# Altium PCB Printing.PcbDoc (part 1 of 5) (continued)
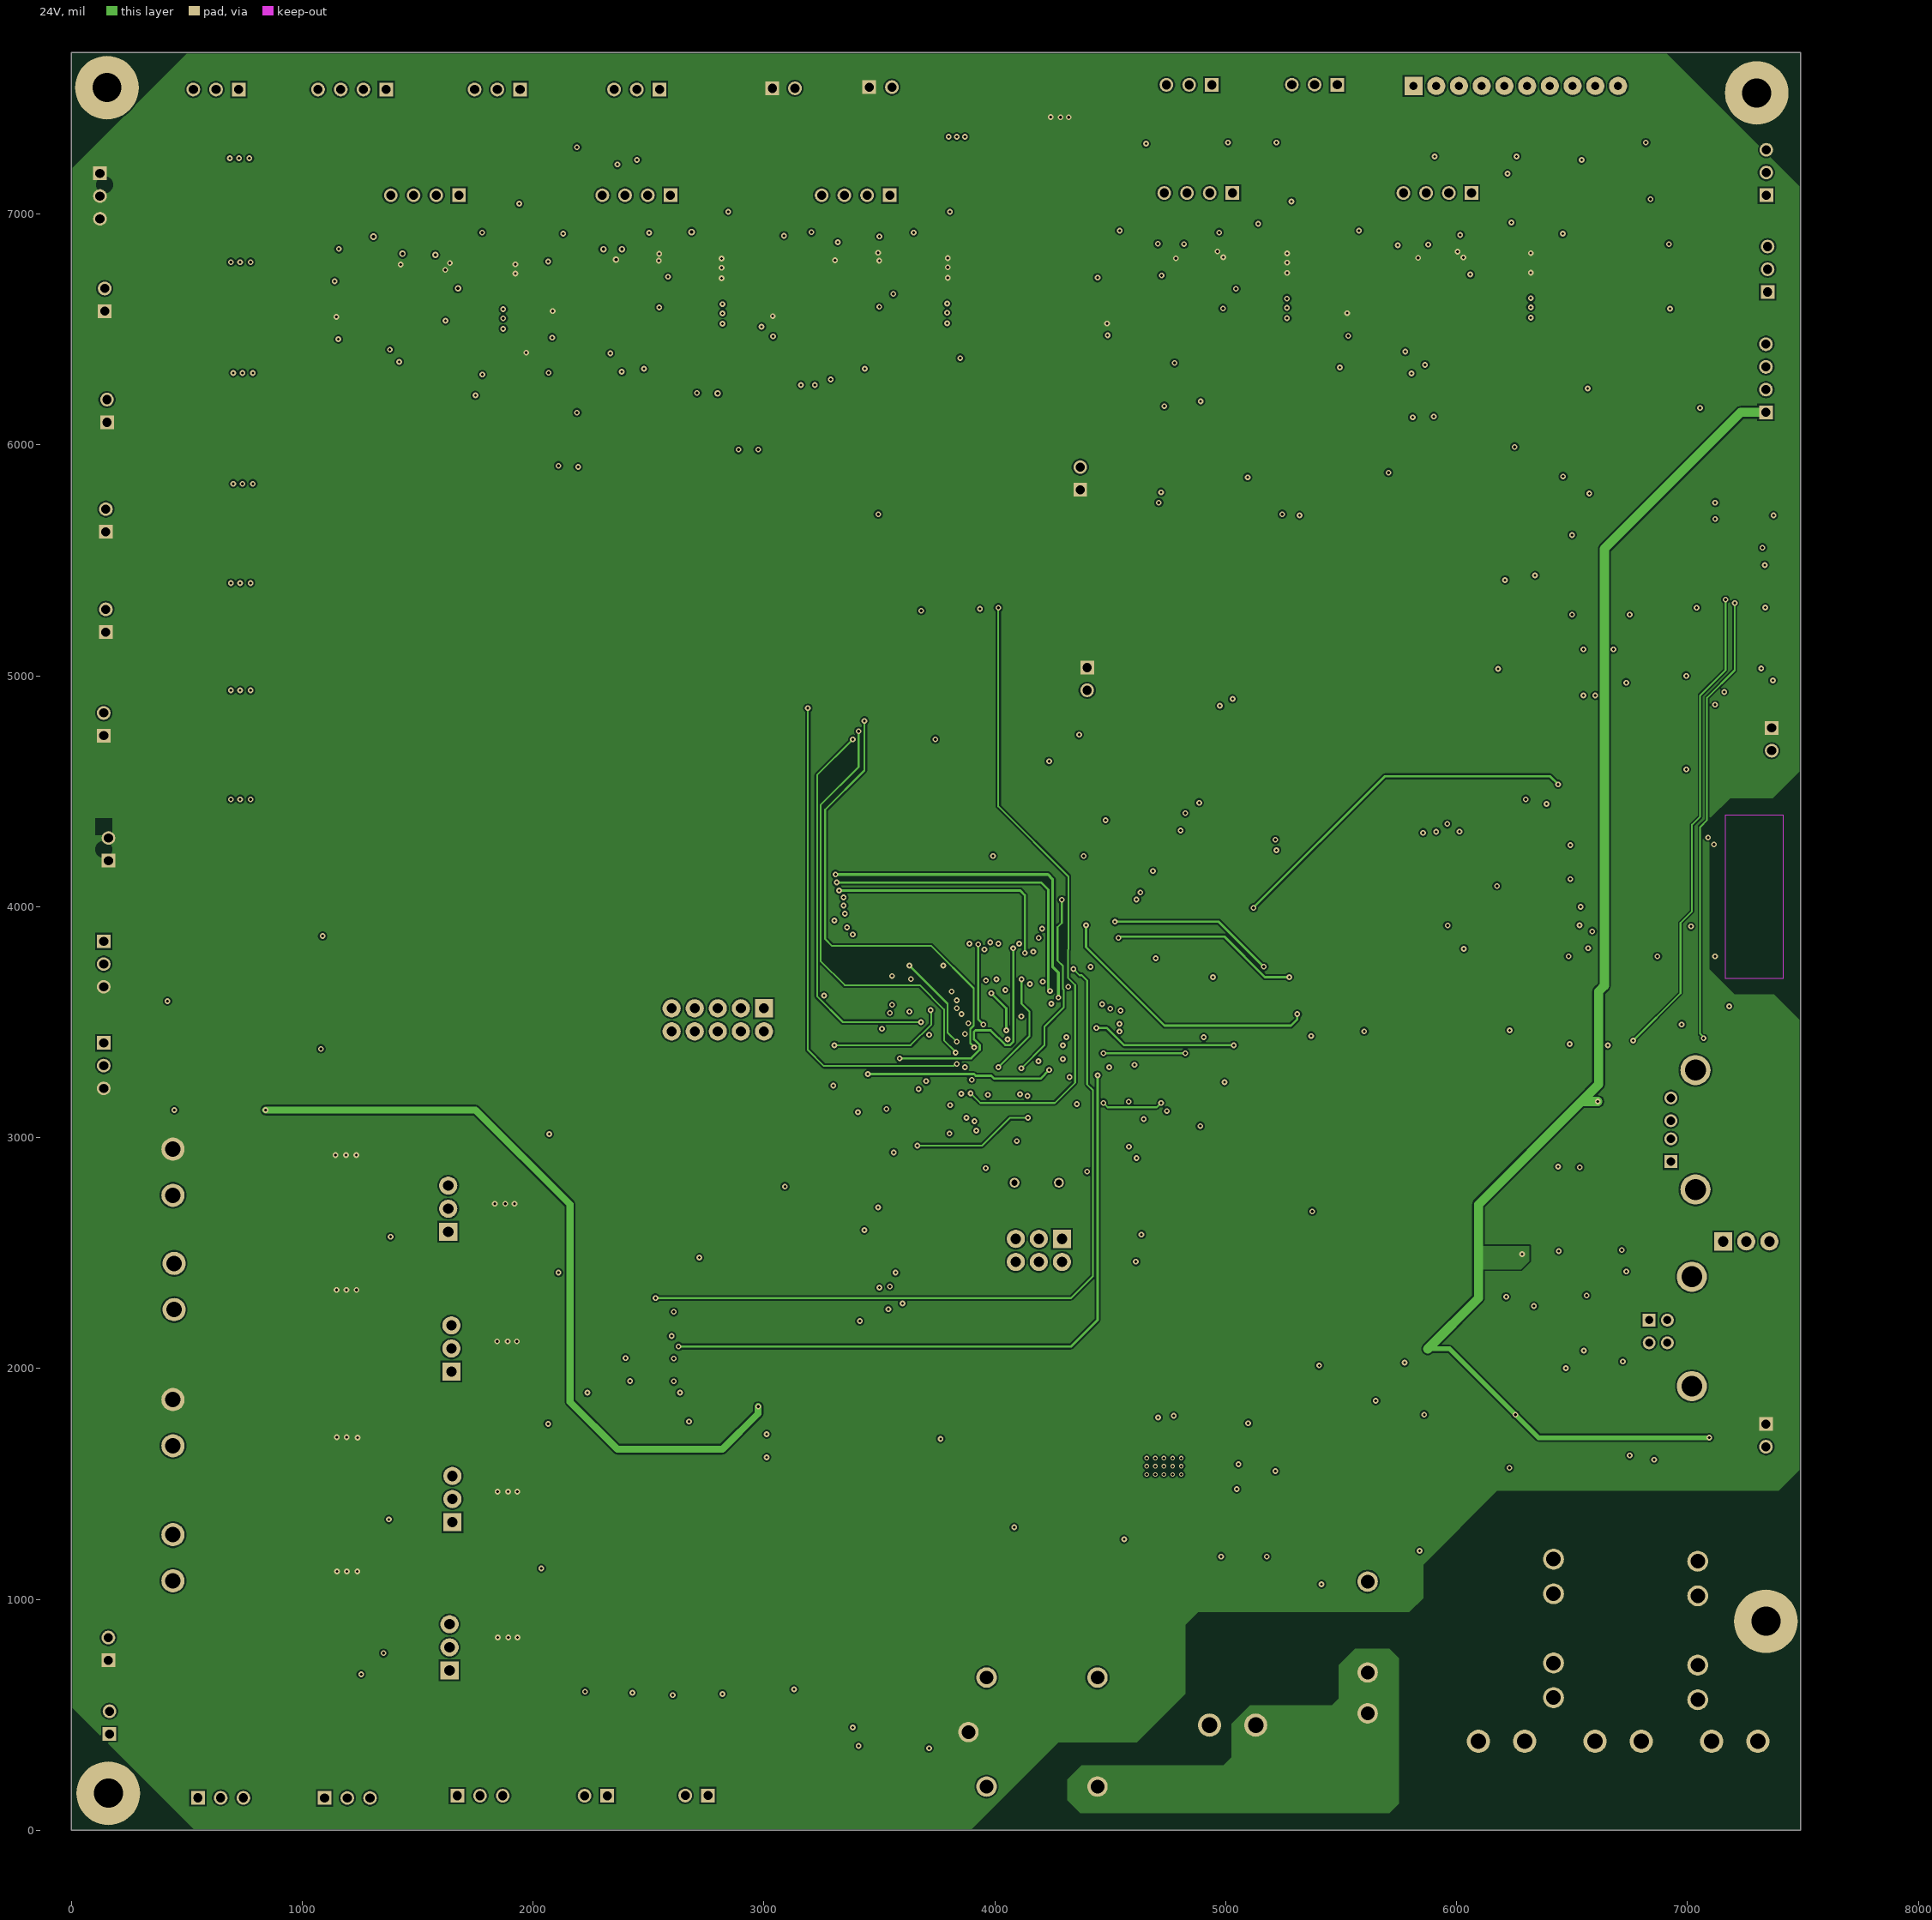
[diagram p3: 24V]

## Layer stack, top to bottom
Top Solder: solder mask 0.4, Solder Resist, Dk 3.5
Top Layer: signal copper 1.4
Dielectric 2: prepreg 2.8, PP-006, Dk 4.1
5v/3.3V: signal copper 1.378
Dielectric 3: prepreg 2.8, PP-006, Dk 4.1
24V: signal copper 1.378
Dielectric 1: dielectric 12.6, FR-4, Dk 4.8
Bottom Layer: signal copper 1.4
Bottom Solder: solder mask 0.4, Solder Resist, Dk 3.5

## Board outline
0,0 0,7700 7490,7700 7490,0

## Design rules (kind name [scope] priority, off if disabled: settings)
Clearance [All] p1: gap=7 ignorepadtopadclearanceinfootprint=FALSE except(0: Arc-Hole Track-Hole SMDPad-Hole THPad-Hole Via-Hole Fill-Hole Poly-Hole Region-Hole Text-Hole)
PolygonConnect [All] p1: connectstyle=Direct reliefconductorwidth=10 reliefentries=4 polygonreliefangle="90 Angle" airgapwidth=10
RoomDefinition U_Printing [InComponentClass('U_Printing')] p1: confinementstyle=ConfineIn formatcopy=TRUE lockcomponents=FALSE outline 7535,60 7905,60 7905,350 7535,350
RoomDefinition U_Printing6 [InComponentClass('U_Printing6')] p2: confinementstyle=ConfineIn formatcopy=TRUE lockcomponents=FALSE outline -18790,-8525 -16790,-8525 -16790,-7525 -18790,-7525
RoomDefinition U_Printing5 [InComponentClass('U_Printing5')] p3: confinementstyle=ConfineIn formatcopy=TRUE lockcomponents=FALSE outline -18790,-8525 -16790,-8525 -16790,-7525 -18790,-7525
RoomDefinition U_Printing4 [InComponentClass('U_Printing4')] p4: confinementstyle=ConfineIn formatcopy=TRUE lockcomponents=FALSE outline -18790,-8525 -16790,-8525 -16790,-7525 -18790,-7525
RoomDefinition U_Printing3 [InComponentClass('U_Printing3')] p5: confinementstyle=ConfineIn formatcopy=TRUE lockcomponents=FALSE outline -18790,-8525 -16790,-8525 -16790,-7525 -18790,-7525
RoomDefinition U_Printing2 [InComponentClass('U_Printing2')] p6: confinementstyle=ConfineIn formatcopy=TRUE lockcomponents=FALSE outline -18790,-8525 -16790,-8525 -16790,-7525 -18790,-7525
RoutingVias [All] p1: holewidth=50 width=100 viastyle="Through Hole" minholewidth=12 minwidth=24 maxholewidth=12 maxwidth=25
SolderMaskExpansion [All] p1: expansion=2 istentingtop=FALSE
Width [All] p1: maxlimit=300 minlimit=7 preferedwidth=8 toplayer_maxwidth=100 midlayer1_minwidth=8 midlayer1_maxwidth=100 midlayer2_minwidth=8 bottomlayer_maxwidth=100 minimp=50.000000 maximp=50.000000 favimp=50.000000
30 further rules are at their usual default settings.

## Classes and differential pairs
component class U_Printing: C1 C2 C3 C4 C5 C6 C7 C8 C9 C10 C11 C12 C13 C14 C15 C16 C17 C18 C19 C20 C21 C22 C27 C37 C64 C70 C71 C72 C73 C74 C75 C77 C79 C80 C82 C83 C84 C85 C93 C94 D1 D2 D3 D6 D7 D8 D14 D15 D16 D17 F1 Fuse1 IC2 IC3 J1 J2 J3 J4 J5 J6 J7 J8 J10 J47 J57 J58 J60 J62 J63 J64 J65 J66 L1 L2 L3 L4 L5 L6 L10 Q6 Q7 Q19 R1 R2 R3 R4 R5 R6 R7 R8 R9 R10 R11 R12 R13 R14 R15 R16 R17 R18 R19 R20 R21 R29 R30 R34 R36 R57 R113 R114 R115 R116 R117 R118 R119 R120 R121 R122 R123 R126 R167 R169 R174 R175 R186 R191 R192 RLY1 SW1 SW2 U10 U11 U15 XTAL1
component class U_Printing6: C95 FID1 FID2 FID3 J9 J11 J12 J19 J55 Q3 Q4 Q5 Q25 R22 R23 R27 R31 R163 R164 R165 R168 R176 R177 R187 R188 R189 R190 U12 U16 U17 U21 U22
component class U_Printing5: C23 C24 C25 C26 C28 C29 C30 C31 C32 C33 C34 C81 C96 C97 C98 C99 C100 C101 C102 C103 C104 C105 D9 J13 J14 J15 J16 J17 J18 J25 J30 Q20 Q21 R24 R25 R26 R28 R32 R33 R40 R41 R42 R43 R44 R46 R47 R48 R49 R50 R51 R52 R53 R54 R55 R56 R58 R59 R60 R61 R74 R80 R82 R83 R84 R135 R136 R137 R138 R139 R166 R171 R172 R173 SW3 SW4 U4 U18 VR1 VR2
component class U_Printing4: C35 C38 D18 D19 D20 D21 D22 D23 D24 J27 J28 J29 J31 J32 J33 J34 J36 J52 J53 J54 J61 Q1 Q2 Q12 Q13 Q15 Q22 Q23 Q28 Q29 R35 R37 R38 R39 R62 R63 R64 R65 R66 R67 R68 R69 R70 R71 R72 R73 R75 R76 R77 R78 R79 R81 R133 R134 R157 R158 R159 R160 R161 R162 R170 R185 R193 R194 R195 R196 R197 U19 U20
component class U_Printing3: 1 C39 C40 C41 C42 C43 C44 C45 C46 C47 C48 C49 C50 C51 C52 C53 C54 C55 C56 C57 C58 C59 C60 C61 C62 C63 C65 C66 C67 C68 C69 J42 J43 J44 J45 J46 R88 R89 R90 R91 R92 R93 R94 R95 R96 R97 R98 R99 R100 R101 R102 R103 R104 R105 R106 R107 R108 R109 R110 R111 R112 R140 R141 R142 R143 R144 R145 R146 R147 R148 R149 R150 R151 R152 R153 R154 U5 U6 U7 U8 U9
component class U_Printing2: C76 C78 C86 C87 C88 C89 C90 C91 C92 D10 D11 D12 D13 J48 J49 J50 J51 P1 P2 P4 P5 R45 R124 R125 R127 R128 R129 R130 R131 R132 R155 R156 R178 R179 R180 R181 R182 R183 R184 SB1 SB2 SB3 SB4 U1 U2 U3 U13 U14

## Components (designator, comment, footprint, x,y, rotation, side; value= is the part's Value field where it differs from the comment)
C1 "ESDSafeCapacitor" C_0805_GEN_1.40H 3746.75,3920.5 r90 top value=100nF
C2 "ESDSafeCapacitor" C_0805_GEN_1.40H 4535,3215 r270 top value=100nF
C3 "ESDSafeCapacitor" C_0805_GEN_1.40H 3946.75,2960.5 r180 top value=100nF
C4 "ESDSafeCapacitor" C_0805_GEN_1.40H 3596.75,3170.5 r90 top value=100nF
C5 "ESDSafeCapacitor" C_0805_GEN_1.40H 4216.75,2960.5 r180 top value=100nF
C6 "ESDSafeCapacitor" C_0805_GEN_1.40H 4655.18,3695.5 r0 top value=100nF
C7 "ESDSafeCapacitor" C_0805_GEN_1.40H 3151.75,2740.5 r90 top value=100nF
C8 "Capacitor" C_0805_GEN_1.10H 3897.03,2805.5 r270 top value=22pF
C9 "Capacitor" C_0805_GEN_1.10H 4456.75,2805.5 r270 top value=22pF
C10 "ESDSafeCapacitor" C_0805_GEN_1.40H 6458.24,2626 r90 top value=100nF
C11 "ESDSafeCapacitor" C_0805_GEN_1.40H 6393,2321 r270 top value=100pF
C12 "ESDSafeCapacitor" C_0805_GEN_1.40H 6503.47,2321 r270 top value=100pF
C13 "ESDSafeCapacitor" C_0805_GEN_1.40H 6489,3045 r180 top value=100nF
C14 "Capacitor" C_0805_GEN_1.40H 3855,3960 r270 top value=2.2uF
C15 "Capacitor" C_0805_GEN_1.40H 4655.18,3588.86 r180 top value=2.2uF
C16 "ESDSafeCapacitor" C_0805_GEN_1.40H 3986.75,2540.5 r90 top value=100nF
C17 "ESDSafeCapacitor" C_0805_GEN_1.40H 4397.5,1662.5 r180 top value=100nF
C18 "Capacitor" C_0805_GEN_1.40H 5727.5,1957.5 r0 top value=1uF
C19 "ESDSafeCapacitor" C_0805_GEN_1.40H 4787.5,1305.26 r90 top value=4.7uF
C20 "100uF/50V" SC1V107M6L07KVR 5045,990 r180 top
C21 "100uF/50V" SC1V107M6L07KVR 5045,715 r180 top
C22 "Capacitor" C_0805_GEN_1.40H 5539.15,1955.85 r180 top value=1uF
C23 "Capacitor" C_0805_GEN_1.40H 7098.76,6865.49 r180 top value=220nF
C24 "Capacitor" C_0805_GEN_1.40H 6960,7435 r180 top value=220nF
C25 "Capacitor" C_0805_GEN_1.40H 4741.44,7289.76 r270 top value=220nF
C26 "Capacitor" C_0805_GEN_1.40H 5286.46,7292.76 r270 top value=220nF
C27 "ESDSafeCapacitor" C_0805_GEN_1.40H 4692.5,1305.26 r90 top value=4.7uF
C28 "Capacitor" C_0805_GEN_1.40H 7089.09,4493.8 r0 top value=220nF
C29 "Capacitor" C_0805_GEN_1.40H 7089.09,4595.76 r0 top value=220nF
C30 "Capacitor" C_0805_GEN_1.40H 2449.69,7335.43 r270 top value=220nF
C31 "Capacitor" C_0805_GEN_1.40H 2100,6022.76 r270 top value=220nF
C32 "Capacitor" C_0805_GEN_1.40H 6448.72,5564.87 r270 top value=220nF
C33 "Capacitor" C_0805_GEN_1.40H 2916.43,6106.43 r270 top value=220nF
C34 "Capacitor" C_0805_GEN_1.40H 5255.06,5812.43 r270 top value=220nF
C35 "ESDSafeCapacitor" C_0805_GEN_1.40H 2606.56,462.76 r270 top value=100nF
C37 "ESDSafeCapacitor" C_0805_GEN_1.40H 4481.75,2945.5 r180 top value=2.2uF
C38 "ESDSafeCapacitor" C_0805_GEN_1.40H 2223.32,463.93 r270 top value=100nF
C39 "Capacitor" C_0805_GEN_1.40H 1252.17,6459.69 r180 top value=2.2uF
C40 "Capacitor" C_0805_GEN_1.40H 2186.22,6464.69 r180 top value=2.2uF
C41 "Capacitor" C_0805_GEN_1.40H 1252.17,6556.04 r180 top value=220nF
C42 "Capacitor" C_0805_GEN_1.40H 2186.22,6561.04 r180 top value=220nF
C43 "Capacitor" C_0805_GEN_1.40H 1875.41,6299.33 r0 top value=220nF
C44 "Capacitor" C_0805_GEN_1.40H 2752.41,6305.33 r180 top value=220nF
C45 "Capacitor" C_0805_GEN_1.10H 1252.17,6652.39 r0 top value=10nF
C46 "Capacitor" C_0805_GEN_1.10H 2186.22,6657.39 r0 top value=10nF
C47 "Capacitor" C_0805_GEN_1.40H 1875.41,6396.33 r180 top value=220nF
C48 "Capacitor" C_0805_GEN_1.40H 2752.41,6408.33 r180 top value=220nF
C49 "SC1V107M6L07KVR" SC1V107M6L07KVR 1920,6645 r270 top
C50 "SC1V107M6L07KVR" SC1V107M6L07KVR 2815,6665 r270 top
C51 "Capacitor" C_0805_GEN_1.40H 3134.41,6464.69 r180 top value=2.2uF
C52 "Capacitor" C_0805_GEN_1.40H 4597.2,6474.69 r180 top value=2.2uF
C53 "Capacitor" C_0805_GEN_1.40H 3134.41,6561.04 r180 top value=220nF
C54 "Capacitor" C_0805_GEN_1.40H 4597.2,6571.04 r180 top value=220nF
C55 "Capacitor" C_0805_GEN_1.40H 3748.41,6374.33 r180 top value=220nF
C56 "Capacitor" C_0805_GEN_1.40H 4944.41,6129.33 r180 top value=220nF
C57 "Capacitor" C_0805_GEN_1.10H 3134.41,6657.39 r0 top value=10nF
C58 "Capacitor" C_0805_GEN_1.10H 4597.2,6667.39 r0 top value=10nF
C59 "Capacitor" C_0805_GEN_1.40H 3748.41,6269.33 r180 top value=220nF
C60 "Capacitor" C_0805_GEN_1.40H 5296.41,6400.33 r270 top value=220nF
C61 "SC1V107M6L07KVR" SC1V107M6L07KVR 3815,6670 r270 top
C62 "SC1V107M6L07KVR" SC1V107M6L07KVR 5265,6690 r270 top
C63 "Capacitor" C_0805_GEN_1.40H 5629.49,6474.69 r180 top value=2.2uF
C64 "Capacitor" C_0805_GEN_1.40H 4747.97,1907.3 r90 top value=47uF
C65 "Capacitor" C_0805_GEN_1.40H 5629.49,6571.04 r180 top value=220nF
C66 "Capacitor" C_0805_GEN_1.40H 5864.41,6170.33 r180 top value=220nF
C67 "Capacitor" C_0805_GEN_1.10H 5629.49,6667.39 r0 top value=10nF
C68 "Capacitor" C_0805_GEN_1.40H 6530,6810 r270 top value=220nF
C69 "SC1V107M6L07KVR" SC1V107M6L07KVR 6330,6695 r270 top
C70 "ESDSafeCapacitor" C_0805_GEN_1.40H 6115.86,7349.49 r90 top value=100nF
C71 "ESDSafeCapacitor" C_0805_GEN_1.40H 6219.36,7349.49 r90 top value=4.7uF
C72 "Capacitor" C_0805_GEN_1.40H 4853.17,1907.3 r90 top value=47uF
C73 "Capacitor" C_0805_GEN_1.40H 4958.37,1907.3 r90 top value=47uF
C74 "ESDSafeCapacitor" C_0805_GEN_1.40H 5009.17,1647.5 r90 top value=47pF
C75 "ESDSafeCapacitor" C_0805_GEN_1.40H 5115.83,1647.5 r270 top value=4700pF
C76 "Capacitor" C_0805_GEN_1.10H 1521.13,3096.31 r0 top value=470nF
C77 "ESDSafeCapacitor" C_0805_GEN_1.40H 4481.75,3035.5 r180 top value=100nF
C78 "ESDSafeCapacitor" C_0805_GEN_1.40H 2858.22,1623.5 r0 top value=100nF
C79 "Capacitor" C_0805_GEN_1.40H 3945,3965 r270 top value=100uF
C80 "Capacitor" C_0805_GEN_1.40H 4655.18,3482.22 r180 top value=100nF
C81 "Capacitor" C_0805_GEN_1.40H 7010,5900 r270 top value=220nF
C82 "ESDSafeCapacitor" C_0805_GEN_1.40H 4355,4625 r270 top value=4.7uF
C83 "ESDSafeCapacitor" C_0805_GEN_1.40H 4460,4625 r270 top value=100nF
C84 "ESDSafeCapacitor" C_0805_GEN_1.40H 4385,4325 r90 top value=4.7uF
C85 "ESDSafeCapacitor" C_0805_GEN_1.40H 4245,4265 r180 top value=100nF
C86 "100uF/50V" SC1V107M6L07KVR 1879.78,2916.39 r90 top
C87 "100uF/50V" SC1V107M6L07KVR 1883.72,2320.72 r90 top
C88 "Capacitor" C_0805_GEN_1.10H 1522.27,2476.98 r0 top value=470nF
C89 "100uF/50V" SC1V107M6L07KVR 1883.72,1669.54 r90 top
C90 "100uF/50V" SC1V107M6L07KVR 1890.42,1038.43 r90 top
C91 "Capacitor" C_0805_GEN_1.10H 1532.27,1821.98 r0 top value=470nF
C92 "Capacitor" C_0805_GEN_1.10H 1529.79,1173.47 r0 top value=470nF
C93 "ESDSafeCapacitor" C_0805_GEN_1.40H 4397.5,1562.5 r0 top value=100nF
C94 "Capacitor" C_0805_GEN_0.70H 4977.5,1305.26 r90 top value=1nF
C95 "Capacitor" C_0805_GEN_1.40H 3810,5289 r0 top value=22uF
C96 "Capacitor" C_0805_GEN_1.40H 6881.2,6210.47 r90 top value=220nF
C97 "Capacitor" C_0805_GEN_1.40H 6635.13,6210.47 r270 top value=220nF
C98 "Capacitor" C_0805_GEN_1.40H 6987.22,6210.47 r270 top value=10uF
C99 "Capacitor" C_0805_GEN_1.40H 6336.17,5076.72 r90 top value=220nF
C100 "Capacitor" C_0805_GEN_1.40H 6072.13,5323.72 r270 top value=220nF
C101 "Capacitor" C_0805_GEN_1.40H 6331.5,5323.72 r90 top value=220nF
C102 "Capacitor" C_0805_GEN_1.40H 6438.98,5323.72 r270 top value=10uF
C103 "Capacitor" C_0805_GEN_1.40H 7367.76,5105 r180 top value=15pF
C104 "Capacitor" C_0805_GEN_1.40H 6226.2,5076.72 r90 top value=100nF
C105 "Capacitor" C_0805_GEN_1.40H 6117.72,4134.87 r270 top value=220nF
D1 "SK54BL" SMB_NRVBS360BT3G 5380.1,1753.88 r90 top value=NRVBS360BT3G
D2 "B560C-13-F" B560C-13-F 4488.68,1903.37 r0 top
D3 "KP-2012SRC-PRV" "0805 LED" 7580,165 r90 top
D6 "KP-2012SRC-PRV" "0805 LED" 6650,7345 r270 top
D7 "S5M-E3/57T" B560C-13-F 4015,930 r0 top
D8 "SK54BL" SMB_NRVBS360BT3G 5490,1285 r0 top value=NRVBS360BT3G
D9 "KP-2012SRC-PRV" "0805 LED" 6728.13,4559.72 r90 top
D10 "SMBJ30A-E3/52" S2G_R1_00001 1572.27,2351.98 r180 top
D11 "SMBJ30A-E3/52" S2G_R1_00001 1568.37,2963.63 r180 top
D12 "SMBJ30A-E3/52" S2G_R1_00001 1572.31,1696.98 r180 top
D13 "SMBJ30A-E3/52" S2G_R1_00001 1571.13,1038.83 r180 top
D14 "KP-2012SRC-PRV" "0805 LED" 3810,1635 r0 top
D15 "KP-2012SRC-PRV" "0805 LED" 3810,1525 r0 top
D16 "KP-2012SRC-PRV" "0805 LED" 3810,1405 r0 top
D17 "SK54BL" SMB_NRVBS360BT3G 5495,1490 r0 top value=NRVBS360BT3G
D18 "KP-2012SRC-PRV" "0805 LED" 571,4062 r180 top
D19 "KP-2012SRC-PRV" "0805 LED" 570,4550 r180 top
D20 "KP-2012SRC-PRV" "0805 LED" 571,5922 r180 top
D21 "KP-2012SRC-PRV" "0805 LED" 571,5018.35 r180 top
D22 "KP-2012SRC-PRV" "0805 LED" 570,6855 r180 top
D23 "KP-2012SRC-PRV" "0805 LED" 571,6406 r180 top
D24 "KP-2012SRC-PRV" "0805 LED" 571,5457 r180 top
F1 "Glass Fuse" "2410 SIGORTA" 6935,2550 r0 top
FID1 "Fiducial_1.00x3.00" SMD_1.00x3.00_FID 2340,3885 r0 top value=X
FID2 "Fiducial_1.00x3.00" SMD_1.00x3.00_FID 2139,4078 r270 top value=X
FID3 "Fiducial_1.00x3.00" SMD_1.00x3.00_FID 2525,4068 r270 top value=X
Fuse1 "5*20mm Fuseholder" 696310001002 5615,880 r90 top
IC2 "MCU-STM32F407VET6(LQFP100)" LQFP100-0.5-13.8X13.8MM 4072.62,3434.99 r90 top
IC3 "TPS54560BDDA" VREG_LM5017MR/NOPB 4732.5,1576.2 r90 top
J1 "L-KLS1-207-1-03-S" L-KLS1-207-1-03-S 7155,2550 r0 top
J2 "USB-B-S-X-X-TH" SAMTEC_USB-B-S-X-X-TH 7019.3,2160.21 r90 top
J3 "5PH1SDA25-203G0NNBL-3X6" 5PH1SDA25-203G0NNBL-3X6 4290.73,2561.37 r180 top
J4 "USB-A-S-X-X-TH" SAMTEC_USB-A-S-X-X-TH 7035,3033.66 r90 top
J5 "B4B-XH-A(LF)(SN)" JST_B4B-XH-A(LF)(SN) 1215.79,7519.33 r180 top
J6 "B4B-XH-A(LF)(SN)" JST_B4B-XH-A(LF)(SN) 7319.33,6289.21 r90 top
J7 "B2B-XH-A(LF)(SN)" JST_B2B-XH-A(LF)(SN) 3505,7550 r180 top
J8 "B2B-XH-A(LF)(SN)" JST_B2B-XH-A(LF)(SN) 3085,7545 r180 top
J9 "5.08 Klemens" "5.08 Klemens" 6800,385 r180 top
J10 "5.08 Klemens" "5.08 KLEMENS" 5130,455 r180 top
J11 "B2B-XH-A(LF)(SN)" JST_B2B-XH-A(LF)(SN) 4400,4986.79 r90 top
J12 "5.08 Klemens" "5.08 Klemens" 7305,385 r180 top
J13 "B3B-XH-A(LF)(SN)" JST_B3B-XH-A(LF)(SN) 7326.71,6761.16 r90 top
J14 "B3B-XH-A(LF)(SN)" JST_B3B-XH-A(LF)(SN) 7321.09,7180.22 r90 top
J15 "B3B-XH-A(LF)(SN)" JST_B3B-XH-A(LF)(SN) 4841.57,7539.33 r180 top
J16 "B3B-XH-A(LF)(SN)" JST_B3B-XH-A(LF)(SN) 5385,7540 r180 top
J17 "B3B-XH-A(LF)(SN)" JST_B3B-XH-A(LF)(SN) 2449,7519.33 r180 top
J18 "B3B-XH-A(LF)(SN)" JST_B3B-XH-A(LF)(SN) 626.57,7519.33 r180 top
J19 "5.08 Klemens" "5.08 Klemens" 6295,385 r180 top
J25 "L-KLS1-207-2-10-S" L-KLS1-207-2-10-S 3000,3560 r180 top
J27 "B3B-XH-A(LF)(SN)" JST_B3B-XH-A(LF)(SN) 160.67,3311.57 r270 top
J28 "B2B-XH-A(LF)(SN)" JST_B2B-XH-A(LF)(SN) 160.67,4248.43 r270 top
J29 "B2B-XH-A(LF)(SN)" JST_B2B-XH-A(LF)(SN) 140,4790 r270 top
J30 "CAM_CONN" CAM_CONN 7273.76,5527.87 r90 top
J31 "B2B-XH-A(LF)(SN)" JST_B2B-XH-A(LF)(SN) 154.23,6147.55 r270 top
J32 "B2B-XH-A(LF)(SN)" JST_B2B-XH-A(LF)(SN) 149.23,5238.89 r270 top
J33 "B2B-XH-A(LF)(SN)" JST_B2B-XH-A(LF)(SN) 149.23,5673.02 r270 top
J34 "B2B-XH-A(LF)(SN)" JST_B2B-XH-A(LF)(SN) 2708,150 r0 top
J36 "B2B-XH-A(LF)(SN)" JST_B2B-XH-A(LF)(SN) 2272,149 r0 top
J42 "B4B-XH-A(LF)(SN)" JST_B4B-XH-A(LF)(SN) 1531.26,7061.05 r180 top
J43 "B4B-XH-A(LF)(SN)" JST_B4B-XH-A(LF)(SN) 2447.48,7061.05 r180 top
J44 "B4B-XH-A(LF)(SN)" JST_B4B-XH-A(LF)(SN) 3397.4,7061.05 r180 top
J45 "B4B-XH-A(LF)(SN)" JST_B4B-XH-A(LF)(SN) 4881.46,7071.05 r180 top
J46 "B4B-XH-A(LF)(SN)" JST_B4B-XH-A(LF)(SN) 5917.28,7071.05 r180 top
J47 "BH10B-XH-2(LF)(SN)" BH10B-XH-2(LF)(SN) 5813.73,7555.28 r0 top
J48 "L-KLS1-207-1-03-S" L-KLS1-207-1-03-S 1632.27,2591.98 r90 top
J49 "L-KLS1-207-1-03-S" L-KLS1-207-1-03-S 1645.93,1986.46 r90 top
J50 "L-KLS1-207-1-03-S" L-KLS1-207-1-03-S 1650.26,1334.1 r90 top
J51 "L-KLS1-207-1-03-S" L-KLS1-207-1-03-S 1638,692 r90 top
J52 "B2B-XH-A(LF)(SN)" JST_B2B-XH-A(LF)(SN) 144.23,6628.65 r270 top
J53 "B2B-XH-A(LF)(SN)" JST_B2B-XH-A(LF)(SN) 7340,1710 r90 top
J54 "B3B-XH-A(LF)(SN)" JST_B3B-XH-A(LF)(SN) 144.23,7078.18 r270 top
J55 "B2B-XH-A(LF)(SN)" JST_B2B-XH-A(LF)(SN) 4370,5855 r270 top
J57 "505110-1692" "FFC CONNECTOR" 4090,7580 r180 top
J58 "B3B-XH-A(LF)(SN)" JST_B3B-XH-A(LF)(SN) 1845,7519.33 r180 top
J60 "B3B-XH-A(LF)(SN)" JST_B3B-XH-A(LF)(SN) 1770,170 r0 top
J61 "B3B-XH-A(LF)(SN)" JST_B3B-XH-A(LF)(SN) 160.67,3751.57 r270 top
J62 "B3B-XH-A(LF)(SN)" JST_B3B-XH-A(LF)(SN) 1195,160 r0 top
J63 "B2B-XH-A(LF)(SN)" JST_B2B-XH-A(LF)(SN) 7365,4725 r90 top
J64 "B2B-XH-A(LF)(SN)" JST_B2B-XH-A(LF)(SN) 160,785 r270 top
J65 "B3B-XH-A(LF)(SN)" JST_B3B-XH-A(LF)(SN) 646.57,160.67 r0 top
J66 "B2B-XH-A(LF)(SN)" JST_B2B-XH-A(LF)(SN) 165,465.79 r270 top
L1 "FerriteBead" FB_0805_GEN_1.10H 4566.75,2805.5 r270 top value=600R
L2 "FerriteBead" FB_0805_GEN_1.10H 6743.94,2626 r90 top value=600R
L3 "FerriteBead" FB_0805_GEN_1.10H 6489,3160 r180 top value=600R
L4 "FerriteBead" FB_0805_GEN_1.10H 4882.5,1305.26 r90 top value=600R
L5 "7.2uH" 7447798720 4045,1965 r0 top
L6 "FerriteBead" FB_0805_GEN_1.10H 5185,1905 r270 top value=600R
L10 "FerriteBead" FB_0805_GEN_1.10H 6363,2626 r270 top value=600R
P1 "5.08 Klemens" "5.08 KLEMENS" 440,2750 r90 top
P2 "5.08 Klemens" "5.08 KLEMENS" 445,2255 r90 top
P4 "5.08 Klemens" "5.08 KLEMENS" 440,1665 r90 top
P5 "5.08 Klemens" "5.08 KLEMENS" 440,1080 r90 top
Q1 "SingleNPN_B1E2C3" SOT23-3_MMBT3904,215 996,3429 r90 top value=MMBT3904
Q2 "SingleNPN_B1E2C3" SOT23-3_MMBT3904,215 986,3921 r90 top value=MMBT3904
Q3 "SingleNMOS_G1S3DTAB" D2PAK-3_SQM60N20-35 4043.85,5000.61 r270 top value=SQM60N20
Q4 "SingleNPN_B1E2C3" SOT23-3_MMBT3904,215 6940.57,1357.76 r270 top value=MMBT3904
Q5 "SingleNPN_B1E2C3" SOT23-3_MMBT3904,215 6317,1362.76 r270 top value=MMBT3904
Q6 "SingleNMOS_G1S3DTAB" DPAK_SQD50N10-8M9L 3219.22,221.55 r180 top value=RFD14N05LSM9A
Q7 "BC817-40W,115" BC817-40W,115 3525,240 r270 top
Q12 "SingleNMOS_G1S3DTAB" DPAK_SQD50N10-8M9L 448.02,4297.86 r90 top value=ZXMN7A11KTC
Q13 "SingleNMOS_G1S3DTAB" DPAK_SQD50N10-8M9L 448.02,4789.76 r90 top value=ZXMN7A11KTC
Q15 "SingleNMOS_G1S3DTAB" DPAK_SQD50N10-8M9L 448.02,6147.16 r90 top value=RFD14N05LSM9A
Q19 "PJA3405_R1_00001" PJA3405_R1_00001 6533,1956 r90 top
Q20 "SingleNPN_B1E2C3" SOT23-3_MMBT3904,215 6392.91,5797.46 r0 top value=MMBT3904
Q21 "SingleNPN_B1E2C3" SOT23-3_MMBT3904,215 6392.91,5945.5 r0 top value=MMBT3904
Q22 "SingleNMOS_G1S3DTAB" DPAK_SQD50N10-8M9L 448.02,5239.27 r90 top value=RFD14N05LSM9A
Q23 "SingleNMOS_G1S3DTAB" DPAK_SQD50N10-8M9L 448.02,5673.41 r90 top value=RFD14N05LSM9A
Q25 "SingleNMOS_G1S3DTAB" D2PAK-3_SQM60N20-35 4043.85,5863.64 r270 top value=SQM60N20
Q28 "SingleNMOS_G1S3DTAB" DPAK_SQD50N10-8M9L 448.02,7078.17 r90 top value=ZXMN7A11KTC
Q29 "SingleNMOS_G1S3DTAB" DPAK_SQD50N10-8M9L 448.02,6627.86 r90 top value=ZXMN7A11KTC
R1 "StandardResistor" R_0805_GEN_0.60H 3406.75,2985.5 r90 top value=4.7K
R2 "StandardResistor" R_0805_GEN_0.60H 3268.33,2985.5 r90 top value=4.7K
R3 "StandardResistor" R_0805_GEN_0.70H 4655,3390 r0 top value=100K
R4 "StandardResistor" R_0805_GEN_0.60H 6393,2126 r270 top value=220R
R5 "StandardResistor" R_0805_GEN_0.60H 6613.94,2126 r270 top value=4.7K
R6 "StandardResistor" R_0805_GEN_0.60H 6724.42,2126 r270 top value=4.7K
R7 "StandardResistor" R_0805_GEN_0.70H 4496.63,2474.75 r180 top value=10K
R8 "StandardResistor" R_0805_GEN_0.60H 6724.42,2321 r270 top value=4.7K
R9 "StandardResistor" R_0805_GEN_0.70H 4496.63,2578.3 r180 top value=10K
R10 "StandardResistor" R_0805_GEN_0.60H 6553.47,2626 r90 top value=4.7K
R11 "StandardResistor" R_0805_GEN_0.60H 6613.94,2321 r270 top value=4.7K
R12 "StandardResistor" R_0805_GEN_0.60H 6503.47,2126 r270 top value=4.7K
R13 "StandardResistor" R_0805_GEN_0.60H 6648.71,2626 r270 top value=4.7K
R14 "22R" R_0805_GEN_0.60H 6813,2977 r90 top value=4.7K
R15 "22R" R_0805_GEN_0.60H 6703,3176 r270 top value=4.7K
R16 "StandardResistor" R_0805_GEN_0.70H 6813,3176 r270 top value=10K
R17 "StandardResistor" R_0805_GEN_0.70H 6703,2977 r90 top value=10K
R18 "StandardResistor" R_0805_GEN_0.70H 6489,2930 r180 top value=10K
R19 "StandardResistor" R_0805_GEN_0.70H 3756.75,2960.5 r180 top value=10K
R20 "StandardResistor" R_0805_GEN_0.70H 3881.75,2540.5 r90 top value=10K
R21 "StandardResistor" R_0805_GEN_0.70H 7805,195 r0 top value=1.8K
R22 "StandardJumper" R_0805_GEN_0.70H 4050,5421 r180 top value=0R
R23 "StandardJumper" R_0805_GEN_0.70H 4050,5516 r180 top value=0R
R24 "StandardResistor" R_0805_GEN_0.60H 6732.13,4743.72 r270 top value=1K
R25 "StandardResistor" R_0805_GEN_0.60H 6404.5,4812.72 r180 top value=4.7K
R26 "StandardResistor" R_0805_GEN_0.60H 6404.5,4914.72 r180 top value=4.7K
R27 "StandardResistor" R_0805_GEN_0.70H 3535,5296 r270 top value=100R